# Altium PCB KB-PCB-R02.PcbDoc (part 4 of 5) (continued)
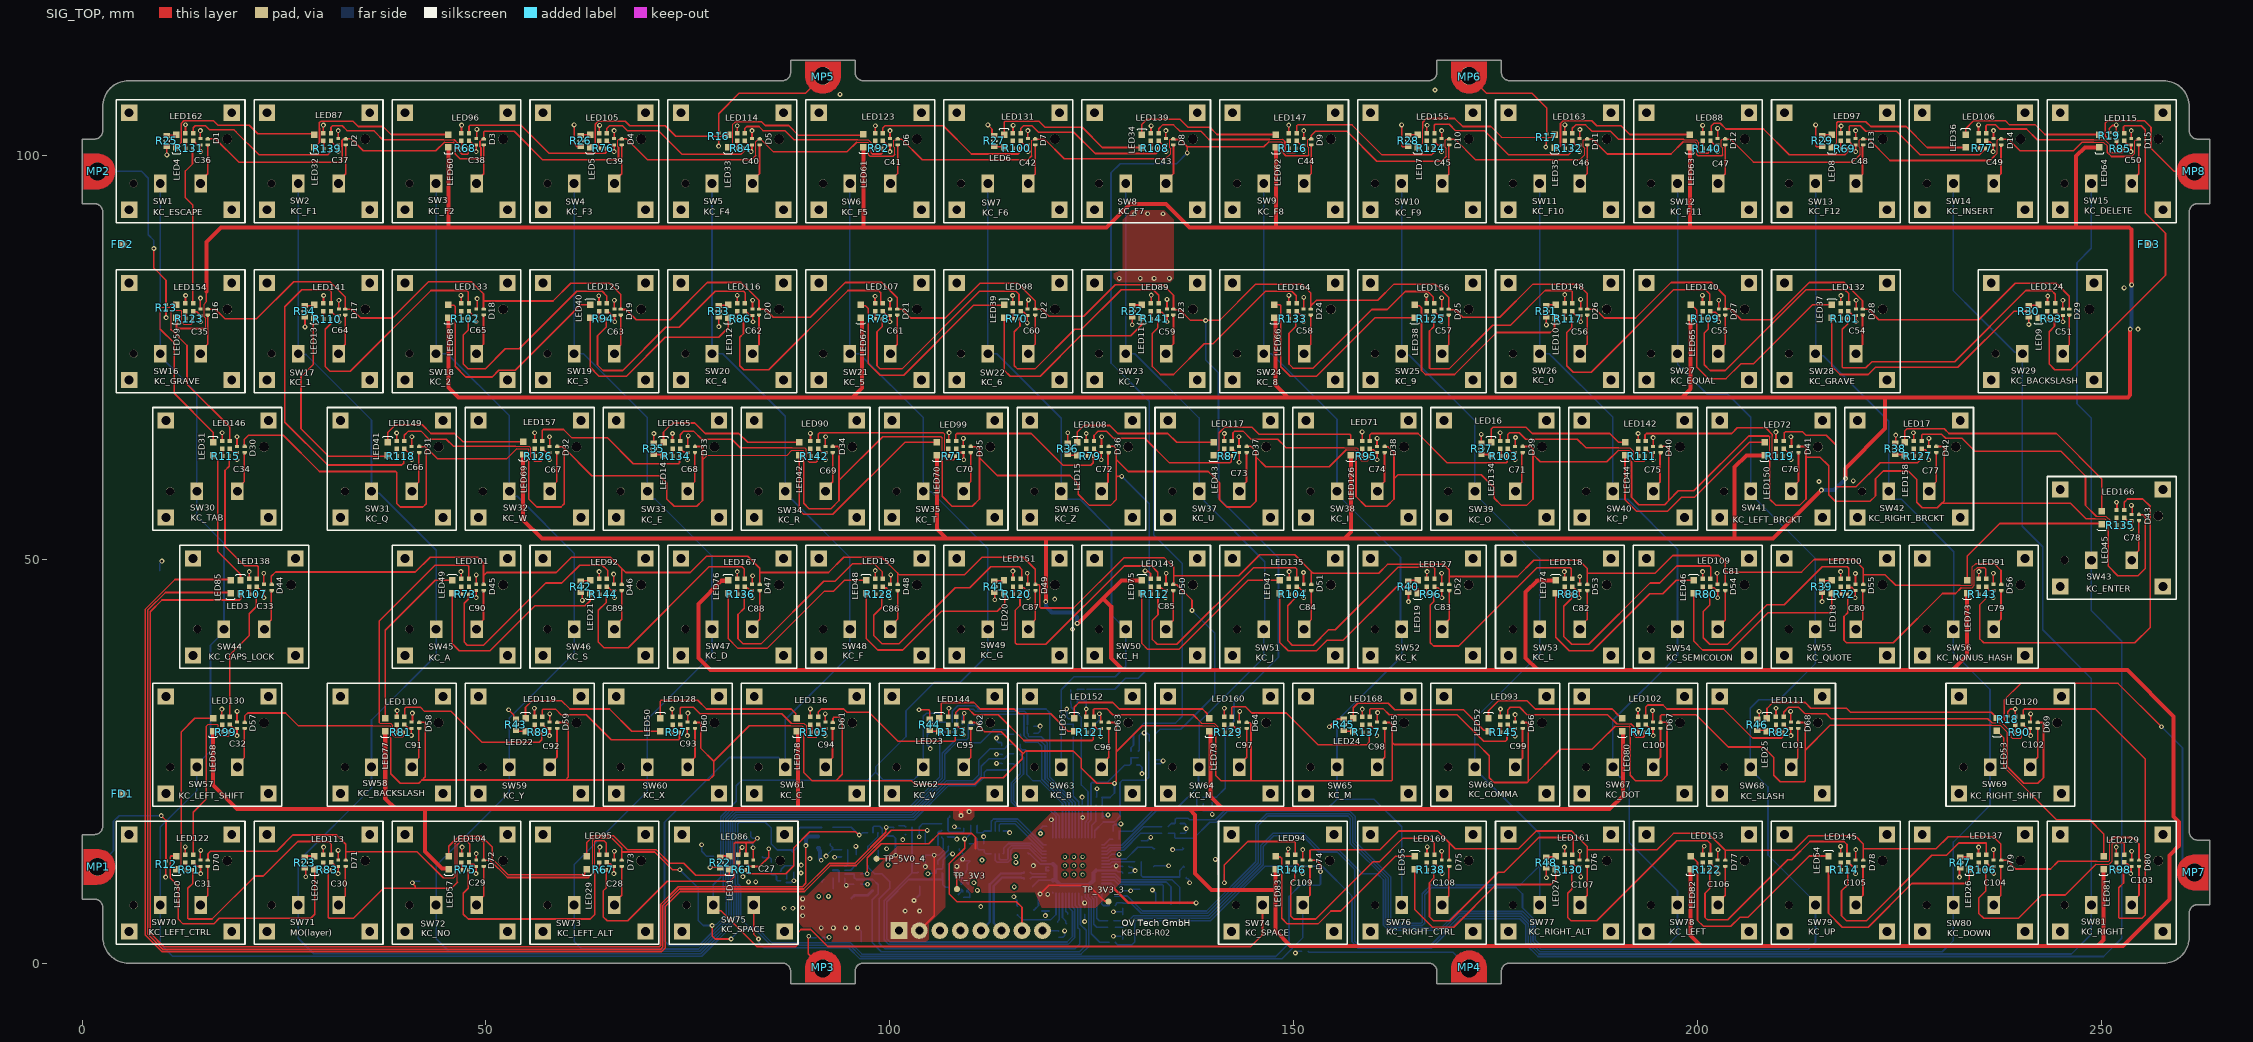
[diagram p0: SIG_TOP view]
## Nets (pads, with @x,y where several pads share a name; then routed paths per layer and width w, separated by ;. In a path a pad name is that pad's centre, name@x,y a point inside that pad or via, vN(x,y) a via of type N, cw(c..) or ccw(c..) an arc to the next point about the centre after c; other vN are vias at no path point) (continued)
NetLED117_1: LED117.1 R87.1 | length 1
  SIG_TOP w0.2: LED117.1@141.389,63.722 141.468,63.643 R87.1@141.468,62.797
NetLED117_3: LED117.3 R95.2 | length 20.7
  SIG_TOP w0.15: 156.237,63.863 157.863,63.863 157.951,63.775 157.951,62.587 158.338,62.2 159.154,62.2 159.242,62.288 R95.2@159.242,62.707
  SIG_TOP w0.2: LED117.3@142.337,64.672 142.472,64.806 142.472,65.672 142.7,65.9 143.7,65.9 144.7,64.9 148,64.9 149.037,63.863 156.237,63.863 ; R95.2@159.242,62.707 R95.2@159.332,62.797
NetLED118_1: LED118.1 R88.1 | length 0.9
  SIG_TOP w0.2: LED118.1@183.536,46.525 183.615,46.446 R88.1@183.615,45.71 ; R88.1@183.605,45.71 R88.1@183.615,45.7
NetLED118_3: LED118.3 R96.2 | length 29.3
  SIG_TOP w0.2: R96.2@167.332,45.7 167.332,44.811 166.9,44.379 166.9,39.7 167.3,39.3 170.4,39.3 180.1,49 184.2,49 184.35,48.85 184.35,47.599 LED118.3@184.474,47.475
NetLED119_1: LED119.1 R89.1 | length 0.9
  SIG_TOP w0.2: LED119.1@56.026,29.425 56.065,29.385 56.065,28.64 R89.1@56.105,28.6
NetLED119_3: LED119.3 R97.2 | length 20.4
  SIG_TOP w0.2: LED119.3@56.974,30.375 56.974,31.373 57.091,31.49 58.61,31.49 59.3,30.8 62.4,30.8 65.5,27.7 73.848,27.7 73.965,27.817 R97.2@73.965,28.602
NetLED120_1: LED120.1 R90.1 | length 1
  SIG_TOP w0.2: LED120.1@239.298,29.576 239.377,29.497 R90.1@239.377,28.6
NetLED120_3: LED120.3 R98.2 | length 47.5
  SIG_TOP w0.2: LED120.3@240.246,30.526 240.3,30.58 240.3,31.383 240.417,31.5 249.2,31.5 255.4,25.3 255.4,6 255,5.6 252.217,5.6 252.1,5.717 252.1,9.36 252.703,9.963 R98.2@252.703,11.6
NetLED122_1: LED122.1 R91.1 | length 0.9
  SIG_TOP w0.2: LED122.1@12.803,12.425 12.882,12.346 R91.1@12.882,11.6
NetLED122_3: LED122.3 R99.2 | length 21.2
  SIG_TOP w0.15: 15.4,29.353 15.635,29.587 16.748,29.587 16.865,29.47 16.865,28.347 17.109,28.102 18.132,28.102 18.25,28.219 R99.2@18.25,28.531
  SIG_TOP w0.2: LED122.3@13.751,13.452 13.751,18.733 15.4,20.382 15.4,29.353
NetLED123_1: LED123.1 R92.1 | length 1
  SIG_TOP w0.2: LED123.1@98.169,101.825 98.248,101.746 R92.1@98.248,100.9
NetLED123_3: LED123.3 R100.2 | length 19.8
  SIG_TOP w0.2: LED123.3@99.117,102.775 99.117,103.424 99.393,103.7 106.6,103.7 110.1,100.2 115.913,100.2 116.03,100.317 116.03,100.833 R100.2@116.104,100.907
NetLED124_1: LED124.1 R93.1 | length 0.8
  SIG_TOP w0.2: LED124.1@243.304,80.657 243.374,80.587 R93.1@243.374,79.849
NetLED124_3: LED124.3 R101.2 | length 38
  SIG_TOP w0.2: R101.2@218.57,79.815 218.57,79.17 217.9,78.5 217.9,73.847 218.017,73.73 220.8,73.73 221.57,74.5 231.8,74.5 240.6,83.3 243.8,83.3 244.252,82.848 LED124.3@244.252,81.645
NetLED125_1: LED125.1 R94.1 | length 1
  SIG_TOP w0.2: LED125.1@63.866,80.71 LED125.1@63.87,80.706 ; LED125.1@64.018,80.752 64.057,80.712 64.057,79.821 R94.1@64.097,79.782
NetLED125_3: LED125.3 R102.2 | length 29
  SIG_TOP w0.2: R102.2@47.821,79.8 47.821,78.421 47.2,77.8 47.2,74.2 47.8,73.6 49.9,73.6 52.4,76.1 54.133,76.1 61.233,83.2 64.4,83.2 64.966,82.634 LED125.3@64.966,81.702
NetLED126_1: LED126.1 R95.1 | length 1
  SIG_TOP w0.2: LED126.1@158.463,63.722 158.542,63.643 R95.1@158.542,62.797
NetLED126_3: LED126.3 R103.2 | length 20
  SIG_TOP w0.2: LED126.3@159.411,64.672 159.411,65.411 159.6,65.6 165.369,65.6 168.969,62 176.288,62 176.405,62.117 R103.2@176.405,62.797
NetLED127_1: LED127.1 R96.1 | length 0.8
  SIG_TOP w0.2: R96.1@166.474,45.734 166.477,45.737 166.477,46.534 LED127.1@166.48,46.537
NetLED127_3: LED127.3 R104.2 | length 30
  SIG_TOP w0.2: R104.2@150.258,45.667 150.186,45.595 150.186,45.237 149.232,44.283 149.232,39.968 149.8,39.4 152.4,39.4 154.3,41.3 155.124,41.3 162.852,49.028 167.311,49.028 167.428,48.911 LED127.3@167.428,47.487
NetLED128_1: LED128.1 R97.1 | length 1
  SIG_TOP w0.2: LED128.1@73.096,29.576 73.175,29.497 R97.1@73.175,28.602
NetLED128_3: LED128.3 R105.2 | length 20.9
  SIG_TOP w0.15: 87.785,29.743 89.357,29.743 89.695,29.405 89.695,28.117 89.812,28 90.922,28 91.039,28.117 R105.2@91.039,28.599
  SIG_TOP w0.2: LED128.3@74.044,30.526 74.044,31.583 74.161,31.7 75.7,31.7 76.5,30.9 86.628,30.9 87.785,29.743
NetLED129_1: LED129.1 R98.1 | length 0.7
  SIG_TOP w0.2: R98.1@251.913,11.6 LED129.1@251.913,12.266
NetLED129_3: LED129.3 R106.2 | length 30.5
  SIG_TOP w0.15: 249.287,12.287 250.952,12.287 251.304,12.638 251.304,14.832
  SIG_TOP w0.2: R106.2@235.63,11.577 235.63,8.93 234.8,8.1 234.8,6.2 235.4,5.6 239.7,5.6 242.579,8.479 245.479,8.479 249.287,12.287 ; 251.304,14.832 251.421,14.949 252.661,14.949 252.778,14.832 LED129.3@252.778,13.486
NetLED130_1: LED130.1 R99.1 | length 1
  SIG_TOP w0.2: LED130.1@17.34,29.576 17.419,29.497 R99.1@17.419,28.651
NetLED130_3: LED130.3 R107.2 | length 16.5
  SIG_TOP w0.2: LED130.3@18.288,30.526 18.288,38.188 20.7,40.6 20.7,43.3 21.556,44.156 R107.2@21.556,45.7
NetLED131_1: LED131.1 R100.1 | length 0.9
  SIG_TOP w0.2: LED131.1@115.243,101.768 115.243,100.979 R100.1@115.314,100.907
NetLED131_3: LED131.3 R108.2 | length 19.7
  SIG_TOP w0.2: LED131.3@116.191,102.718 116.191,103.35 116.541,103.7 117.6,103.7 118.4,102.9 122.776,102.9 125.41,100.265 132.963,100.265 133.175,100.477 133.175,100.888 R108.2@133.187,100.9
NetLED132_1: LED132.1 R101.1 | length 1
  SIG_TOP w0.2: LED132.1@217.701,80.752 217.74,80.712 217.74,79.855 R101.1@217.78,79.815
NetLED132_3: LED132.3 R109.2 | length 29.6
  SIG_TOP w0.2: R109.2@201.295,79.8 201.295,78.551 200.8,78.056 200.8,74.124 201.524,73.4 203.4,73.4 213.4,83.4 218.2,83.4 218.679,82.921 LED132.3@218.679,81.677
NetLED133_1: LED133.1 R102.1 | length 1
  SIG_TOP w0.2: LED133.1@46.952,80.752 46.952,79.879 R102.1@47.031,79.8
NetLED133_3: LED133.3 R110.2 | length 29.9
  SIG_TOP w0.2: R110.2@30.782,79.739 30.782,79.182 30.1,78.5 30.1,73.9 30.7,73.3 33.2,73.3 43.2,83.3 47.6,83.3 47.793,83.107 LED133.3@47.793,81.528
NetLED134_1: LED134.1 R103.1 | length 1
  SIG_TOP w0.2: LED134.1@175.626,63.725 175.665,63.685 175.665,62.84 R103.1@175.705,62.8
NetLED134_3: LED134.3 R111.2 | length 20.5
  SIG_TOP w0.15: 190.2,63.838 191.589,63.838 192.093,63.334 192.093,62.307 192.21,62.19 193.367,62.19 193.484,62.307 R111.2@193.484,62.797
  SIG_TOP w0.2: LED134.3@176.484,64.672 176.484,65.483 176.701,65.7 177.9,65.7 178.7,64.9 185.1,64.9 186.162,63.838 190.2,63.838
NetLED135_1: LED135.1 R104.1 | length 0.9
  SIG_TOP w0.2: LED135.1@149.426,46.525 149.426,45.709 R104.1@149.468,45.667
NetLED135_3: LED135.3 R112.2 | length 29.4
  SIG_TOP w0.2: R112.2@133.185,45.7 133.185,43.185 132.5,42.5 132.5,40.1 133.1,39.5 135.5,39.5 145,49 150.2,49 150.374,48.826 LED135.3@150.374,47.475
NetLED136_1: LED136.1 R105.1 | length 1
  SIG_TOP w0.2: LED136.1@90.17,29.576 90.322,29.424 R105.1@90.322,28.599
NetLED136_3: LED136.3 R113.2 | length 20.5
  SIG_TOP w0.2: LED136.3@91.118,30.526 91.118,31.118 91.5,31.5 94.3,31.5 94.7,31.1 97.412,31.1 101.012,27.5 107.995,27.5 108.112,27.617 R113.2@108.112,28.636
NetLED137_1: LED137.1 R106.1 | length 0.8
  SIG_TOP w0.2: R106.1@234.793,11.514 234.798,11.519 234.798,12.284 LED137.1@234.803,12.289
NetLED137_3: LED137.3 R114.2 | length 29.6
  SIG_TOP w0.2: R114.2@218.557,11.577 218.557,9.757 217.8,9 217.8,5.9 218.4,5.3 220.876,5.3 228.976,13.4 230.8,13.4 232.307,14.907 235.684,14.907 235.709,14.882 LED137.3@235.709,13.452
NetLED138_1: LED138.1 R107.1 | length 1
  SIG_TOP w0.2: LED138.1@20.691,46.649 20.766,46.574 R107.1@20.766,45.7
NetLED138_3: LED138.3 R115.2 | length 18.1
  SIG_TOP w0.2: R115.2@18.209,62.797 18.209,61.544 17.7,61.035 17.7,51.635 20.1,49.235 21.683,49.235 21.8,49.118 21.8,47.76 LED138.3@21.639,47.599
NetLED139_1: LED139.1 R108.1 | length 0.9
  SIG_TOP w0.2: LED139.1@132.241,101.719 132.328,101.719 132.397,101.65 R108.1@132.397,100.9
NetLED139_3: LED139.3 R116.2 | length 20.3
  SIG_TOP w0.15: 147.021,101.998 148.649,101.998
  SIG_TOP w0.2: LED139.3@133.266,102.775 133.266,103.313 133.753,103.8 135.1,103.8 135.9,103 138.5,103 139.502,101.998 147.021,101.998 ; 148.649,101.998 148.914,101.734 148.914,100.617 149.173,100.359 150.116,100.359 150.235,100.477 150.235,100.876 R116.2@150.259,100.9
NetLED140_1: LED140.1 R109.1 | length 0.8
  SIG_TOP w0.2: R109.1@200.505,79.8 200.515,79.81 200.515,80.615 LED140.1@200.526,80.625
NetLED140_3: LED140.3 R117.2 | length 29.8
  SIG_TOP w0.2: R117.2@184.387,79.8 184.387,78.687 183.8,78.1 183.8,74 184.6,73.2 186.8,73.2 197,83.4 200.957,83.4 201.474,82.883 LED140.3@201.474,81.575
NetLED141_1: LED141.1 R110.1 | length 1
  SIG_TOP w0.2: LED141.1@29.873,80.752 29.912,80.712 29.912,79.816 R110.1@29.952,79.776
NetLED141_3: LED141.3 R118.2 | length 40.5
  SIG_TOP w0.2: LED141.3@30.874,81.575 30.874,83.126 30.6,83.4 27.2,83.4 25.1,81.3 25.1,67 30.4,61.7 39.584,61.7 39.819,61.935 R118.2@39.819,62.797
NetLED142_1: LED142.1 R111.1 | length 0.9
  SIG_TOP w0.2: LED142.1@192.576,63.625 192.616,63.625 192.694,63.547 R111.1@192.694,62.797
NetLED142_3: LED142.3 R119.2 | length 21.9
  SIG_TOP w0.15: 209.201,65.288 209.201,62.65 209.494,62.357 210.373,62.357 210.461,62.445 210.461,62.701 R119.2@210.557,62.797
  SIG_TOP w0.2: LED142.3@193.474,64.575 193.474,65.413 193.661,65.6 204.2,65.6 204.9,66.3 208.4,66.3 209.201,65.499 209.201,65.288
NetLED143_1: LED143.1 R112.1 | length 0.9
  SIG_TOP w0.2: LED143.1@132.316,46.525 132.395,46.446 R112.1@132.395,45.7
NetLED143_3: LED143.3 R120.2 | length 29.3
  SIG_TOP w0.2: R120.2@116.112,45.7 116.112,44.312 115.5,43.7 115.5,39.7 115.7,39.5 119.3,39.5 129,49.2 132.407,49.2 133.174,48.433 LED143.3@133.174,47.475
NetLED144_1: LED144.1 R113.1 | length 0.9
  SIG_TOP w0.2: LED144.1@107.226,29.525 107.226,28.793 107.333,28.686 R113.1@107.333,28.636
NetLED144_3: LED144.3 R121.2 | length 20.3
  SIG_TOP w0.2: LED144.3@108.174,30.475 108.174,31.101 108.573,31.5 109.742,31.5 110.442,30.8 113.4,30.8 116.6,27.6 125.068,27.6 125.185,27.717 R121.2@125.185,28.593
NetLED145_1: LED145.1 R114.1 | length 1
  SIG_TOP w0.2: LED145.1@217.688,12.502 217.767,12.423 R114.1@217.767,11.577
NetLED145_3: LED145.3 R122.2 | length 29.3
  SIG_TOP w0.2: R122.2@201.484,11.577 201.484,9.284 200.9,8.7 200.9,5.7 201.2,5.4 203.7,5.4 211.15,12.85 211.65,12.85 213.9,15.1 218.1,15.1 218.474,14.726 LED145.3@218.474,13.375
NetLED146_1: LED146.1 R115.1 | length 0.9
  SIG_TOP w0.2: LED146.1@17.327,63.625 17.405,63.547 R115.1@17.405,62.8
NetLED146_3: LED146.3 R123.2 | length 24
  SIG_TOP w0.15: 11.017,78.483 11.017,80.715 11.134,80.832 12.211,80.832 12.328,80.715 12.328,79.358 12.585,79.1 13.501,79.1 13.672,79.271 R123.2@13.672,79.8
  SIG_TOP w0.2: 11.017,78.483 13,76.5 13,71.7 18.274,66.426 LED146.3@18.274,64.575
NetLED147_1: LED147.1 R116.1 | length 0.8
  SIG_TOP w0.2: LED147.1@149.394,101.725 149.394,101.075 R116.1@149.469,101
NetLED147_3: LED147.3 R124.2 | length 20.1
  SIG_TOP w0.2: LED147.3@150.346,102.747 150.346,103.683 150.463,103.8 157.2,103.8 160.911,100.089 167.048,100.089 167.319,100.36 R124.2@167.319,100.9
NetLED148_1: LED148.1 R117.1 | length 1
  SIG_TOP w0.2: R117.1@183.505,79.8 R117.1@183.515,79.81 ; LED148.1@183.518,80.752 183.597,80.673 R117.1@183.597,79.8
NetLED148_3: LED148.3 R125.2 | length 29.7
  SIG_TOP w0.2: R125.2@167.319,79.8 167.319,78.819 166.8,78.3 166.8,73.717 166.917,73.6 169.2,73.6 174.612,79.012 176.812,79.012 181.1,83.3 184.357,83.3 184.474,83.183 LED148.3@184.474,81.575
NetLED149_1: LED149.1 R118.1 | length 1
  SIG_TOP w0.2: R118.1@38.95,62.703 LED149.1@38.95,63.722
NetLED149_3: LED149.3 R126.2 | length 20.7
  SIG_TOP w0.15: 53.698,64.002 55.369,64.002 55.573,63.798 55.573,62.61 56,62.183
  SIG_TOP w0.2: LED149.3@39.898,64.672 39.898,65.398 40.4,65.9 41.954,65.9 42.954,64.9 45.1,64.9 45.998,64.002 53.698,64.002 ; 56,62.183 56.775,62.183 56.892,62.3 R126.2@56.892,62.797
NetLED150_1: LED150.1 R119.1 | length 1
  SIG_TOP w0.2: LED150.1@209.688,63.722 209.767,63.643 R119.1@209.767,62.797
NetLED150_3: LED150.3 R127.2 | length 25.7
  SIG_TOP w0.2: LED150.3@210.698,64.592 210.698,65.683 210.815,65.8 213,65.8 213.4,65.4 215.9,65.4 217.075,64.225 217.075,59.117 217.192,59 219.6,59 222.6,62 227.2,62 227.586,62.386 227.586,62.753 R127.2@227.63,62.797
NetLED151_1: LED151.1 R120.1 | length 0.9
  SIG_TOP w0.2: LED151.1@115.281,46.547 115.313,46.514 115.313,45.702 R120.1@115.346,45.669
NetLED151_3: LED151.3 R128.2 | length 29.6
  SIG_TOP w0.2: R128.2@98.995,45.7 98.995,44.095 98,43.1 98,40.6 99,39.6 101.176,39.6 108.076,46.5 109.9,46.5 112.5,49.1 116.007,49.1 116.3,48.807 116.3,47.568 LED151.3@116.229,47.497
NetLED152_1: LED152.1 R121.1 | length 1
  SIG_TOP w0.2: LED152.1@124.316,29.576 124.316,28.672 R121.1@124.395,28.593
NetLED152_3: LED152.3 R129.2 | length 20.3
  SIG_TOP w0.15: 138.573,29.761 140.146,29.761 140.655,29.252 140.655,28.34 140.835,28.16 142.074,28.16 142.162,28.248 142.162,28.435 R129.2@142.254,28.527
  SIG_TOP w0.2: LED152.3@125.205,30.46 125.205,31.437 125.322,31.554 126.846,31.554 127.6,30.8 137.534,30.8 138.573,29.761
NetLED153_1: LED153.1 R122.1 | length 0.7
  SIG_TOP w0.2: R122.1@200.627,11.68 LED153.1@200.627,12.424
NetLED153_3: LED153.3 R130.2 | length 29.7
  SIG_TOP w0.2: R130.2@184.395,11.6 184.395,9.195 183.9,8.7 183.9,5.7 184.3,5.3 187.5,5.3 197.4,15.2 201.2,15.2 201.574,14.826 LED153.3@201.574,13.375
NetLED154_1: LED154.1 R123.1 | length 1
  SIG_TOP w0.2: LED154.1@12.803,80.752 12.882,80.673 R123.1@12.882,79.8
NetLED154_3: LED154.3 R131.2 | length 20
  SIG_TOP w0.2: R131.2@13.672,100.9 13.672,98.972 12.8,98.1 12.8,94.8 13.712,93.888 LED154.3@13.712,81.637
NetLED155_1: LED155.1 R124.1 | length 0.9
  SIG_TOP w0.2: LED155.1@166.426,101.725 166.465,101.685 166.465,100.94 R124.1@166.505,100.9
NetLED155_3: LED155.3 R132.2 | length 20.3
  SIG_TOP w0.2: LED155.3@167.374,102.675 167.374,103.758 167.491,103.875 169.225,103.875 170,103.1 173.567,103.1 176.567,100.1 184,100.1 184.377,100.477 184.377,100.89 R132.2@184.387,100.9
NetLED156_1: LED156.1 R125.1 | length 1
  SIG_TOP w0.2: LED156.1@166.45,80.752 166.529,80.673 R125.1@166.529,79.8
NetLED156_3: LED156.3 R133.2 | length 29.2
  SIG_TOP w0.2: R133.2@150.259,79.8 150.253,79.794 150.253,78.853 149.4,78 149.4,74.2 149.9,73.7 152.4,73.7 159.65,80.95 161.55,80.95 163.787,83.187 166.594,83.187 167.274,82.507 LED156.3@167.274,81.575
NetLED157_1: LED157.1 R126.1 | length 1
  SIG_TOP w0.2: LED157.1@55.926,63.625 56.024,63.625 56.102,63.547 R126.1@56.102,62.797
NetLED157_3: LED157.3 R134.2 | length 21
  SIG_TOP w0.2: LED157.3@56.971,64.672 56.971,65.983 57.088,66.1 59.6,66.1 60.6,65.1 65,65.1 68.235,61.865 73.848,61.865 73.965,61.982 R134.2@73.965,62.797
NetLED158_1: LED158.1 R127.1 | length 1
  SIG_TOP w0.2: LED158.1@226.761,63.722 226.84,63.643 R127.1@226.84,62.797
NetLED158_3: LED158.3 R135.2 | length 33.6
  SIG_TOP w0.15: 249.329,55.371 250.525,55.371 251.1,54.796 251.1,53.96 251.246,53.814 252.496,53.814 252.613,53.931 R135.2@252.613,54.171
  SIG_TOP w0.2: LED158.3@227.709,64.672 227.709,65.411 227.826,65.528 230.172,65.528 230.7,65 232.7,65 234.276,63.424 244.924,63.424 248,60.349 248,56.7 249.329,55.371 ; R135.2@252.613,54.171 R135.2@252.703,54.261
NetLED159_1: LED159.1 R128.1 | length 0.8
  SIG_TOP w0.2: LED159.1@98.17,46.525 98.205,46.49 R128.1@98.205,45.7
NetLED159_3: LED159.3 R136.2 | length 29.5
  SIG_TOP w0.2: R136.2@81.965,45.7 81.965,43.965 81.2,43.2 81.2,40.2 81.8,39.6 84.1,39.6 91.8,47.3 93.2,47.3 95.4,49.5 98.026,49.5 99.074,48.452 LED159.3@99.074,47.475
NetLED160_1: LED160.1 R129.1 | length 1
  SIG_TOP w0.2: LED160.1@141.389,29.576 141.468,29.497 R129.1@141.468,28.6
NetLED160_3: LED160.3 R137.2 | length 21.5
  SIG_TOP w0.2: LED160.3@142.337,30.526 142.337,31.683 142.454,31.8 144,31.8 144.8,31 149.07,31 153.016,27.054 158.987,27.054 159.339,27.406 R137.2@159.339,28.561
NetLED161_1: LED161.1 R130.1 | length 0.8
  SIG_TOP w0.2: R130.1@183.605,11.6 183.615,11.61 183.615,12.415 LED161.1@183.626,12.425
NetLED161_3: LED161.3 R138.2 | length 30.4
  SIG_TOP w0.2: R138.2@167.337,11.577 167.337,10.554 166.8,10.017 166.8,5.8 167.3,5.3 169.3,5.3 175.3,11.3 176.024,11.3 180.324,15.6 184.457,15.6 184.574,15.483 LED161.3@184.574,13.375
NetLED162_1: LED162.1 R131.1 | length 1
  SIG_TOP w0.2: LED162.1@12.803,101.825 12.882,101.746 R131.1@12.882,100.9
NetLED162_3: LED162.3 R139.2 | length 19.8
  SIG_TOP w0.2: LED162.3@13.751,102.775 13.751,103.451 14,103.7 15.276,103.7 15.79,103.186 18.814,103.186 19.064,102.936 21.9,100.1 30.4,100.1 30.721,100.421 30.721,100.822 R139.2@30.742,100.844
NetLED163_1: LED163.1 R132.1 | length 0.8
  SIG_TOP w0.2: LED163.1@183.526,101.725 183.53,101.725 183.605,101.65 R132.1@183.605,100.95
NetLED163_3: LED163.3 R140.2 | length 20.5
  SIG_TOP w0.15: 198.237,102.01 198.276,101.971 199.79,101.971 200.139,101.622 200.139,100.434
  SIG_TOP w0.2: LED163.3@184.474,102.675 184.474,103.371 184.903,103.8 186.1,103.8 186.9,103 189.2,103 190.19,102.01 198.237,102.01 ; 200.139,100.434 200.273,100.3 201.254,100.3 201.414,100.46 201.414,100.815 R140.2@201.463,100.864
NetLED164_1: LED164.1 R133.1 | length 1
  SIG_TOP w0.2: LED164.1@149.39,80.752 149.469,80.673 R133.1@149.469,79.8
NetLED164_3: LED164.3 R141.2 | length 29.8
  SIG_TOP w0.2: R141.2@133.151,79.789 133.151,78.651 132.5,78 132.5,73.9 133.5,72.9 135.1,72.9 138.9,76.7 140,76.7 146.5,83.2 149.757,83.2 150.3,82.657 LED164.3@150.3,81.718
NetLED165_1: LED165.1 R134.1 | length 1
  SIG_TOP w0.2: LED165.1@73.096,63.722 73.205,63.613 R134.1@73.205,62.8
NetLED165_3: LED165.3 R142.2 | length 20.8
  SIG_TOP w0.15: 87.886,63.832 89.461,63.832 89.654,63.639 89.654,62.446 90.032,62.068
  SIG_TOP w0.2: LED165.3@74.044,64.672 74.044,65.444 74.5,65.9 75.7,65.9 76.7,64.9 80.424,64.9 81.492,63.832 87.886,63.832 ; 90.032,62.068 90.899,62.068 91.017,62.185 R142.2@91.017,62.743
NetLED166_1: LED166.1 R135.1 | length 1
  SIG_TOP w0.2: LED166.1@251.726,55.125 251.759,55.125 251.873,55.011 251.873,54.25 R135.1@251.823,54.2
NetLED166_3: LED166.3 R143.2 | length 47.6
  SIG_TOP w0.2: R143.2@235.63,45.714 235.63,45.13 234.928,44.428 234.928,40.172 235.4,39.7 254.1,39.7 256,41.6 256,56.6 255.1,57.5 253.2,57.5 252.782,57.082 LED166.3@252.782,56.136
NetLED167_1: LED167.1 R136.1 | length 0.7
  SIG_TOP w0.2: LED167.1@81.096,46.525 81.165,46.456 81.165,45.913 R136.1@81.215,45.913
NetLED167_3: LED167.3 R144.2 | length 30.3
  SIG_TOP w0.2: R144.2@64.892,45.707 64.892,45.582 64.892,44.692 63.912,43.712 63.912,39.788 64.6,39.1 67.6,39.1 77.6,49.1 81.7,49.1 81.974,48.826 LED167.3@81.974,47.475
NetLED168_1: LED168.1 R137.1 | length 1
  SIG_TOP w0.2: LED168.1@158.463,29.576 158.542,29.497 R137.1@158.542,28.6
NetLED168_3: LED168.3 R145.2 | length 20.7
  SIG_TOP w0.2: LED168.3@159.411,30.526 159.394,30.543 159.394,31.437 159.511,31.554 161.046,31.554 161.8,30.8 170.2,30.8 173.5,27.5 176.2,27.5 176.39,27.69 R145.2@176.39,28.7
NetLED169_1: LED169.1 R138.1 | length 0.9
  SIG_TOP w0.2: R138.1@166.526,11.502 LED169.1@166.526,12.398
NetLED169_3: LED169.3 R146.2 | length 29.8
  SIG_TOP w0.2: R146.2@150.114,11.577 150.114,10.414 149.6,9.9 149.6,5.9 150,5.5 152.7,5.5 159.8,12.6 160.6,12.6 163.526,15.526 166.774,15.526 167.387,14.913 LED169.3@167.387,13.392
NetMP1_1: MP1.1 R12.2 | length 18.5
  SIG_TOP w0.2: v1(9.8,18.3) 10.4,17.7 R12.2@10.4,12.695
  SIG_BOTTOM w0.2: MP1.1@1.9,11.964 3.9,13.964 3.9,17.6 4.6,18.3 v1(9.8,18.3)
NetMP2_1: MP2.1 R13.2 | length 23.2
  SIG_TOP w0.2: v1(8.9,88.5) 8.9,86.083 10.4,84.583 R13.2@10.4,81.595
  SIG_BOTTOM w0.2: MP2.1@1.9,98.049 7.351,98.049 8.2,97.2 8.2,90.2 8.9,89.5 v1(8.9,88.5)
NetMP3_1: MP3.1 R14.2 | length 5.7
  SIG_TOP w0.2: v1@89.889,3.385 89.889,1.208 91.453,-0.356 MP3.1@91.703,-0.356
  SIG_BOTTOM w0.2: v1(89.948,3.375) 90.056,3.375 90.236,3.194 R14.2@90.884,3.194
NetMP4_1: MP4.1 R15.2 | length 20.8
  SIG_BOTTOM w0.2: R15.2@151.795,1.5 151.795,1.49 151.885,1.4 169.697,1.4 MP4.1@171.703,-0.606
NetMP5_1: MP5.1 R16.2 | length 19.3
  SIG_TOP w0.2: R16.2@78.8,102.795 78.8,105.2 81.3,107.7 89.514,107.7 MP5.1@91.703,109.889
  SIG_BOTTOM w0.2: 91.205,108.1 91.255,108.1 91.644,108.489 91.644,109.83 MP5.1@91.703,109.889
NetMP6_1: MP6.1 R17.2 | length 16
  SIG_TOP w0.2: MP6.1@171.703,109.889 173.892,107.7 179.5,107.7 181.308,105.892 R17.2@181.308,102.695
  SIG_BOTTOM w0.2: 170.604,108.79 MP6.1@171.703,109.889
NetMP7_1: MP7.1 R18.2 | length 46.7
  SIG_TOP w0.2: R18.2@238.359,29.823 238.309,29.823 237.919,30.213 237.919,32.619 239.967,34.667 252.033,34.667 v1(257.4,29.3)
  SIG_BOTTOM w0.2: v1(257.4,29.3) 260,26.7 260,12.784 MP7.1@261.505,11.279 ; 260.388,10.703 260.964,11.279 MP7.1@261.255,11.279 261.38,11.404 MP7.1@261.505,11.529
NetMP8_1: MP8.1 R19.2 | length 19.3
  SIG_TOP w0.2: R19.2@250.945,102.096 250.855,102.186 250.672,102.186 250.45,102.408 250.45,104.05 250.7,104.3 255.3,104.3 256.1,103.5 256.1,100.9 258.951,98.049 MP8.1@261.255,98.049
  SIG_BOTTOM w0.2: 259.995,99.559 261.255,98.299 MP8.1@261.255,98.049
NetQ2_3: Q2.3 R64.2 | length 1.6
  SIG_BOTTOM w0.2: Q2.3@84.215,13.208 84.323,13.1 85.151,13.1 85.316,12.934 85.316,12.58 R64.2@85.335,12.561
NetQ3_1: Q3.1 R57.2 | length 1
  SIG_BOTTOM w0.2: Q3.1@101.101,17.062 101.744,17.062 101.786,17.02 101.862,17.02 101.952,16.93 R57.2@101.952,16.88
NetQ4_1: Q4.1 R65.2 | length 0.8
  SIG_BOTTOM w0.2: Q4.1@87.167,10.468 87.195,10.468 87.22,10.493 87.22,11.176 R65.2@87.245,11.201
NetQ4_3: Q4.3 R63.1 R64.1 | length 2.5
  SIG_BOTTOM w0.2: R64.1@85.335,11.771 R63.1@85.335,11.045 85.358,11.022 85.758,11.022 85.962,10.818 85.962,10.363 86.082,10.243 Q4.3@86.467,10.243
NetR20_1: R20.1 R21.2 U2.3 | length 1.7
  SIG_BOTTOM w0.2: R20.1@109.153,8.2 109.174,8.179 109.846,8.179 109.867,8.157 109.867,8.696 109.734,8.829 109.729,8.829 109.583,8.975 109.583,8.98
NetR50_1: R50.1 R53.2 TP_LEDW-CTRL.TP U1.37 | length 44
  SIG_BOTTOM w0.2: R53.2@106.495,11.2 106.513,11.182 R50.1@106.513,10.436 ; TP_LEDW-CTRL.TP@107.359,9.36 107.291,9.428 106.872,9.428 106.532,9.768 R50.1@106.532,10.399 102.347,10.399 99.6,7.651 99.6,3.054 99.992,2.662 121.917,2.662 122.6,3.345 122.6,6.466 122.167,6.899 U1.37@122.167,8.671
NetR50_2: R50.2 U7.1 | length 1.9
  SIG_BOTTOM w0.2: U7.1@107.25,12.3 107.286,12.264 107.286,10.434 R50.2@107.322,10.399
NetR51_1: R51.1 U7.4 | length 2.2
  SIG_BOTTOM w0.2: U7.4@105.95,14.621 105.95,16.225 106.067,16.342 106.309,16.342 106.399,16.432 R51.1@106.399,16.465
NetR51_2: R51.2 R52.2 TP_LED-W_ON.TP U4.1 | length 4.4
  SIG_BOTTOM w0.2: R52.2@107.189,17.281 107.189,16.415 107.279,16.325 107.329,16.325 107.433,16.22 109.025,16.22 109.142,16.338 U4.1@109.142,16.703 ; R52.2@107.192,17.284 107.192,17.943 107.4,18.151 TP_LED-W_ON.TP@107.4,18.3
NetR55_2: R55.2 TP_W-LED-P_ON.TP U1.34 U5.7 | length 46.5
  SIG_BOTTOM w0.2: U5.7@94.4,11.05 94.425,11.075 R55.2@95.58,11.075 ; R55.2@95.605,11.075 95.605,10.627 95.832,10.4 97.9,10.4 98.547,9.753 98.547,8.647 97.8,7.9 TP_W-LED-P_ON.TP@97.8,3.5 97.8,2.6 98.934,1.466 123.466,1.466 124.3,2.3 124.3,4.1 123.6,4.8 123.6,7.1 123.367,7.333 U1.34@123.367,8.671
NetR56_2: R56.2 R58.2 U5.5 | length 2.3
  SIG_BOTTOM w0.2: U5.5@94.4,12.05 94.575,12.05 94.795,12.27 R58.2@94.795,13.2 R56.2@94.795,14.1
NetR57_1: R57.1 R59.2 TP_CAPS_CTRL.TP U1.36 | length 46
  SIG_BOTTOM w0.2: 102.742,11.225 R59.2@102.742,15.979 R57.1@102.742,16.88 ; 102.825,11.225 102.817,11.217 ; TP_CAPS_CTRL.TP@103.5,11.3 103.417,11.217 102.817,11.217 ; U1.36@122.567,8.671 122.567,7.033 122.9,6.7 122.9,3.221 122.041,2.362 99.868,2.362 99.3,2.93 99.3,7.776 102.742,11.217 102.817,11.217
NetR60_1: R60.1 U6.1 | length 1.5
  SIG_BOTTOM w0.2: R60.1@97.995,12.9 97.995,12.95 98.085,13.04 98.433,13.04 98.55,13.157 U6.1@98.55,14
NetR60_2: R60.2 R168.2 TP_RGB_CTRL.TP U1.35 | length 44.4
  SIG_BOTTOM w0.2: R168.2@97.203,12.159 97.293,12.069 97.293,11.907 98.1,11.1 98.9,11.1 TP_RGB_CTRL.TP@99,11.1 100,10.1 100,9.3 98.7,8 98.7,2.5 99.345,1.855 122.955,1.855 123.5,2.4 123.5,4.2 123.263,4.437 123.263,6.837 122.967,7.133 U1.35@122.967,8.671 ; R168.2@97.203,12.159 R60.2@97.205,12.9
NetR65_1: R65.1 R66.2 TP_RGB_P_CRTL.TP U1.32 | length 83.5
  SIG_BOTTOM w0.2: R65.1@86.455,11.401 86.545,11.491 86.545,11.65 86.99,12.095 R66.2@88.1,12.095 88.1,13.675 87.725,14.05 ; TP_RGB_P_CRTL.TP@91.538,16.835 88.931,16.835 88.585,16.489 88.585,14.413 88.222,14.05 87.725,14.05 ; U1.32@124.167,8.671 124.167,8.167 124.613,7.722 124.613,2.113 123.666,1.166 96.54,1.166 95.159,2.546 85.42,2.546 83.456,4.51 82.565,4.51 81.561,5.514 81.561,9.484 81.17,9.876 81.17,17.3 81.37,17.5 84.578,17.5 85.3,16.778 85.3,14.8 86.05,14.05 87.725,14.05
NetR147_2: R147.2 U1.2 | length 14.1
  SIG_BOTTOM w0.2: R147.2@116.145,24.689 116.145,23.48 115.005,22.34 115.005,20.018 115.962,19.061 119.715,19.061 120.567,18.21 120.567,16.648 U1.2@120.567,15.546
NetR148_2: R148.2 U1.3 | length 15.6
  SIG_BOTTOM w0.2: R148.2@116.145,25.964 116.145,25.914 116.535,25.524 116.535,23.446 115.305,22.216 115.305,20.142 116.086,19.361 119.84,19.361 120.967,18.234 U1.3@120.967,15.546
NetR149_2: R149.2 U1.4 | length 14.5
  SIG_BOTTOM w0.2: R149.2@116.145,27.152 116.145,26.655 116.379,26.421 116.806,26.421 116.927,26.3 116.927,23.389 117.716,22.6 118.578,22.6 121.367,19.811 U1.4@121.367,15.546
NetR150_2: R150.2 U1.5 | length 16
  SIG_BOTTOM w0.2: R150.2@116.145,28.362 116.219,28.289 116.219,27.981 116.834,27.366 118.334,27.366 118.8,26.9 118.8,22.802 121.767,19.835 U1.5@121.767,15.546
NetR151_2: R151.2 U1.6 | length 25
  SIG_BOTTOM w0.2: R151.2@111.238,29.561 111.238,30.738 111.359,30.859 116.483,30.859 116.6,30.742 116.6,28.2 117.1,27.7 118.5,27.7 119.196,27.004 119.196,22.831 122.167,19.86 U1.6@122.167,15.546